# Altium PCB SuperClock_Core.PcbDoc
Units mil, origin at the board's own origin, x right, y up, seen from the top; angles counter-clockwise.
Board outline 3900.44 x 3899.85 mil, 4 copper layers (Top Layer, VCC2, GND3, Bottom Layer), stack 23.756 mil thick; 85 components, 58 nets, 327 pads, 63 vias.
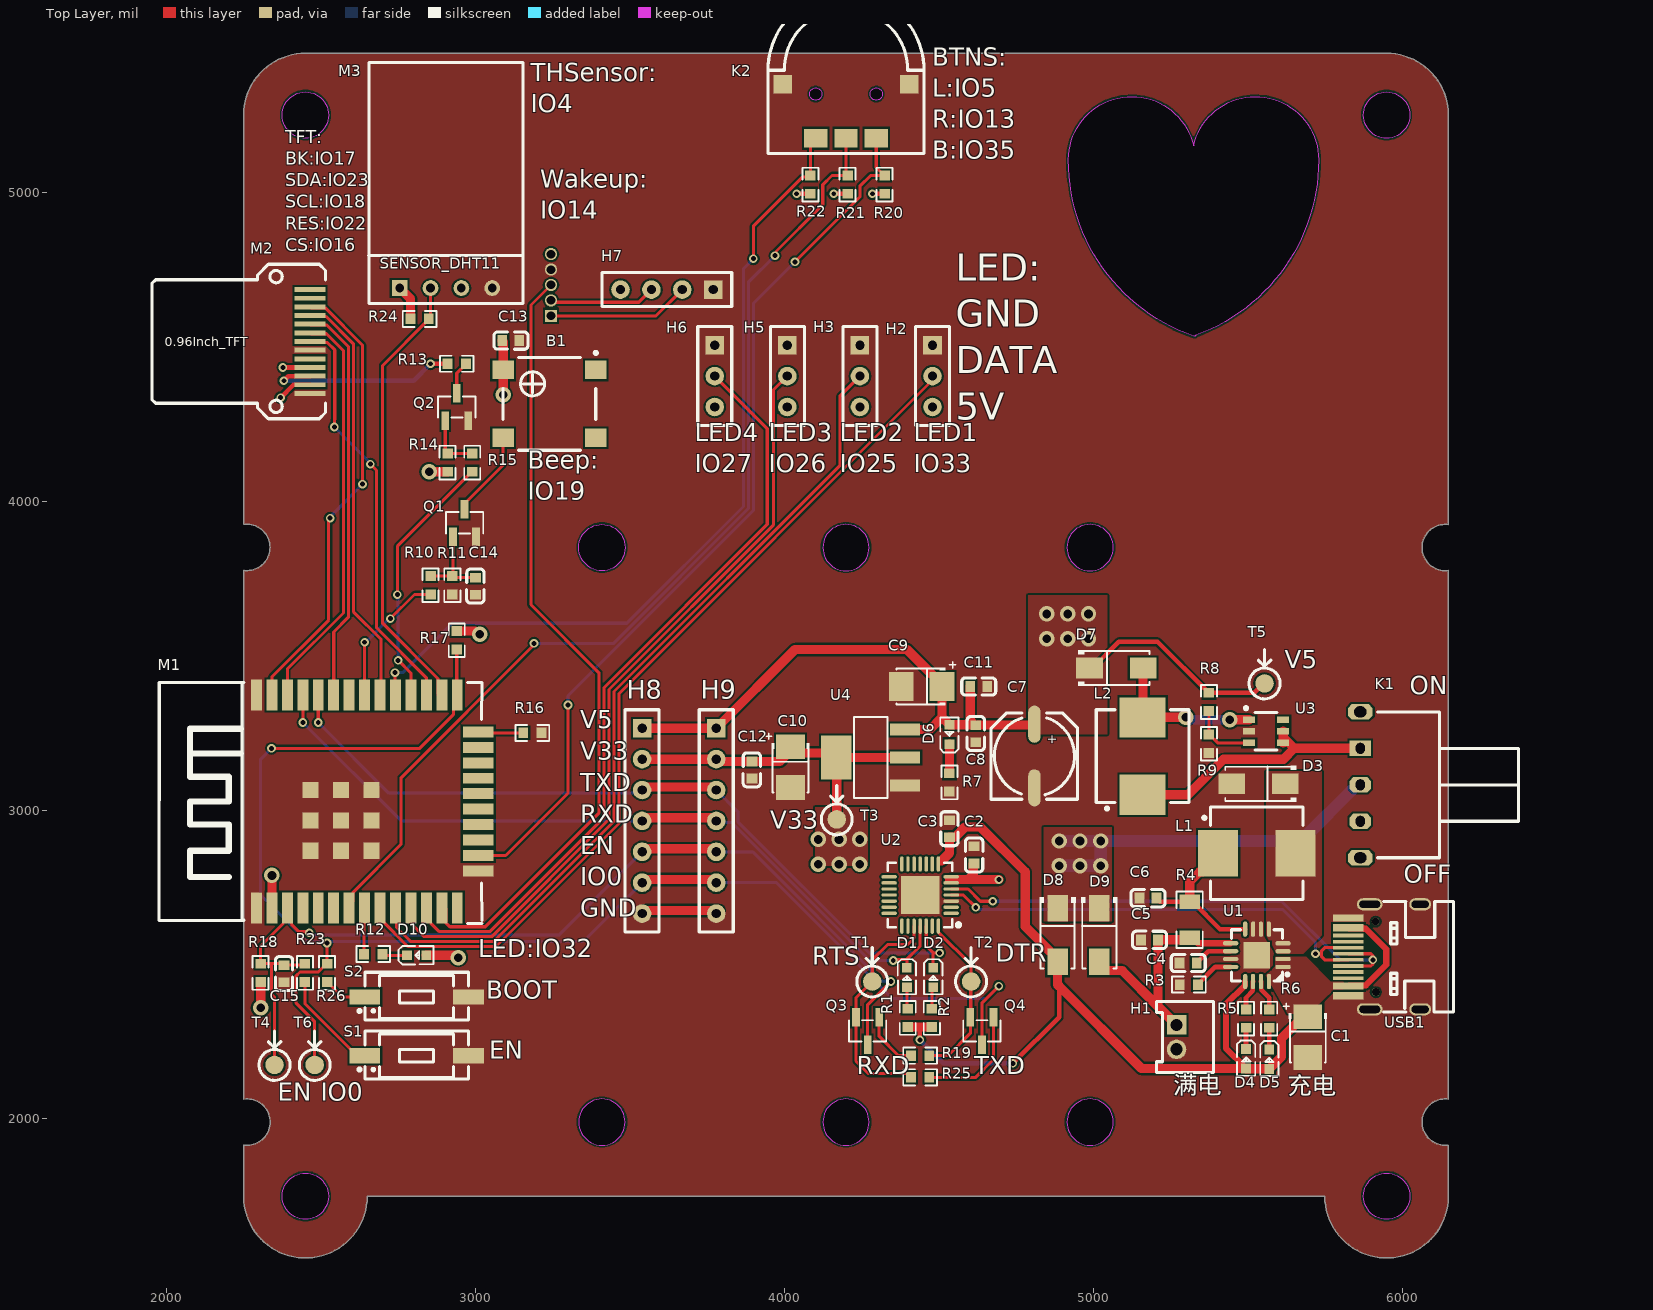
[diagram p0: Top Layer view]
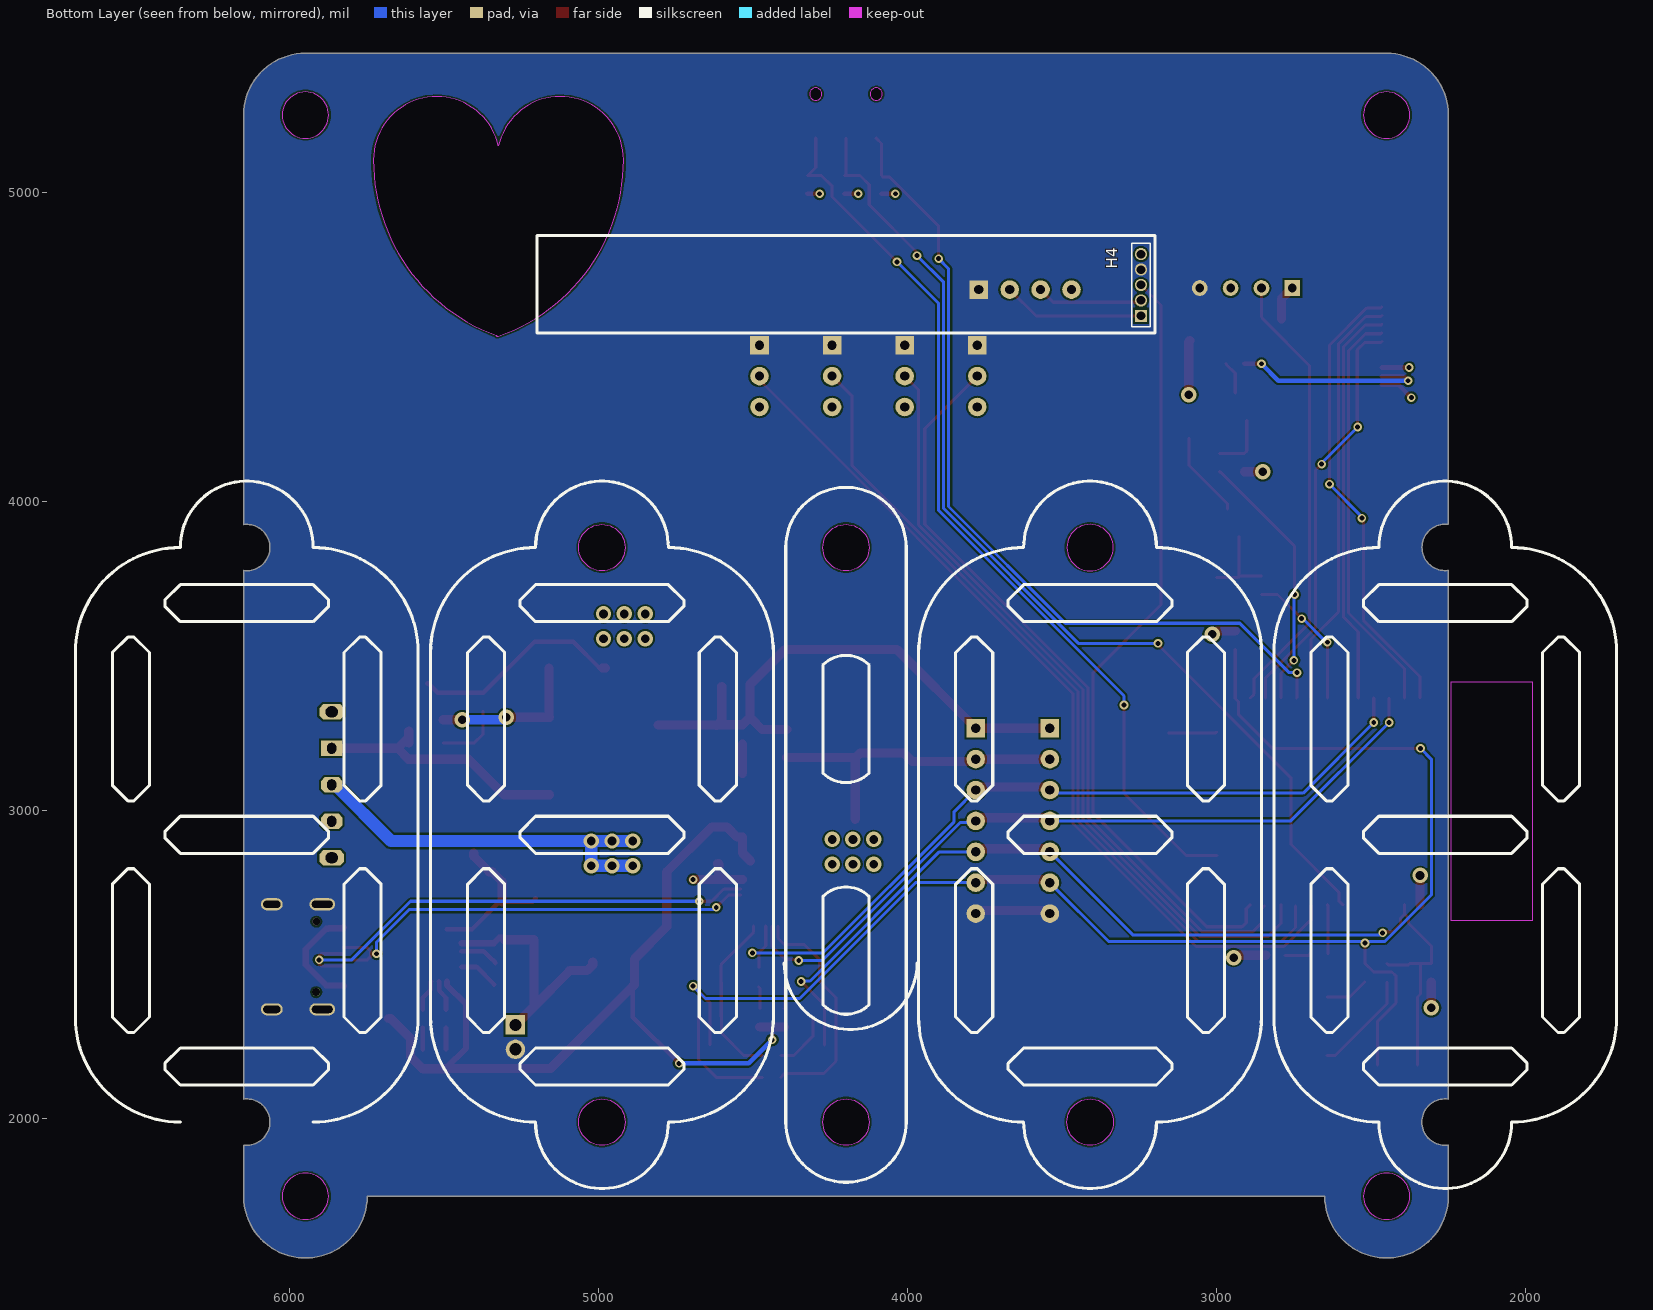
[diagram p1: Bottom Layer view, seen from below]
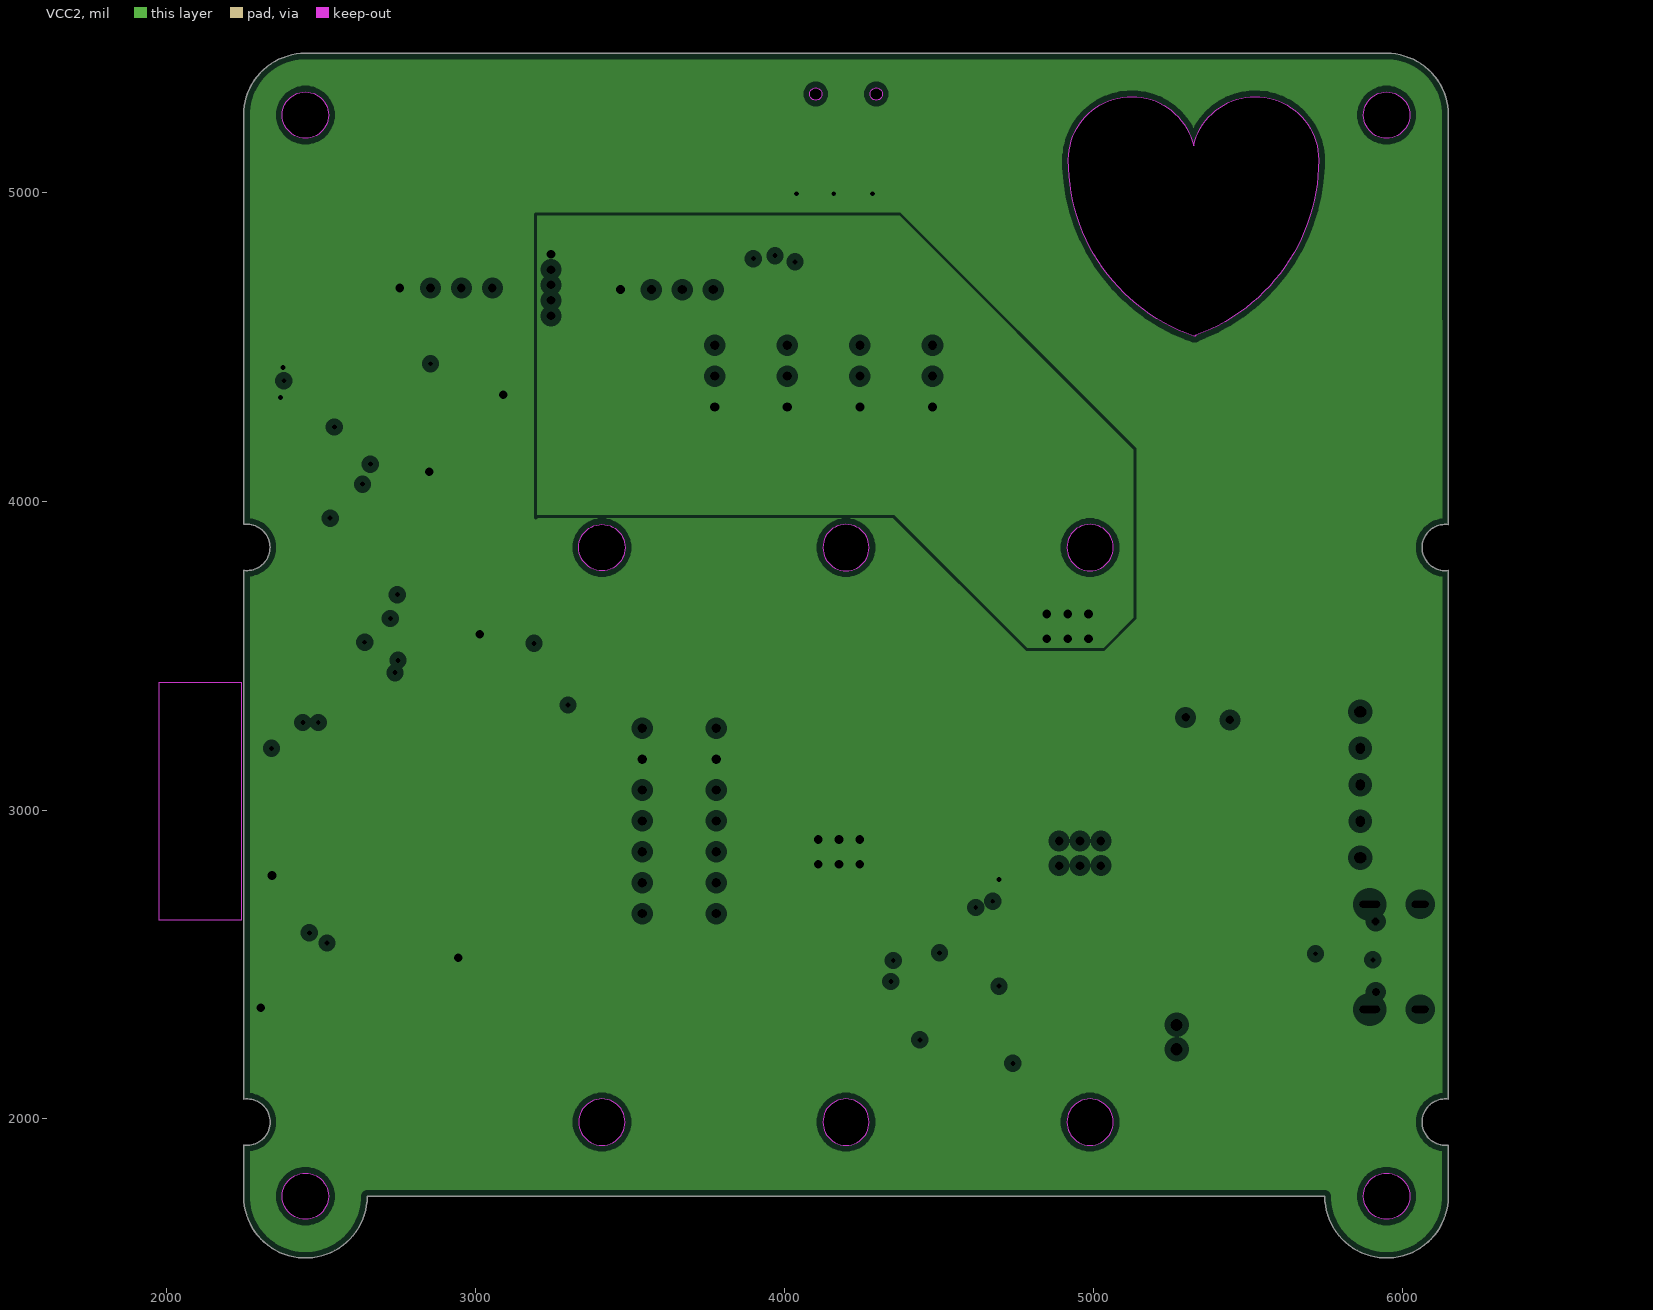
[diagram p2: VCC2, clearances drawn from the general rule]
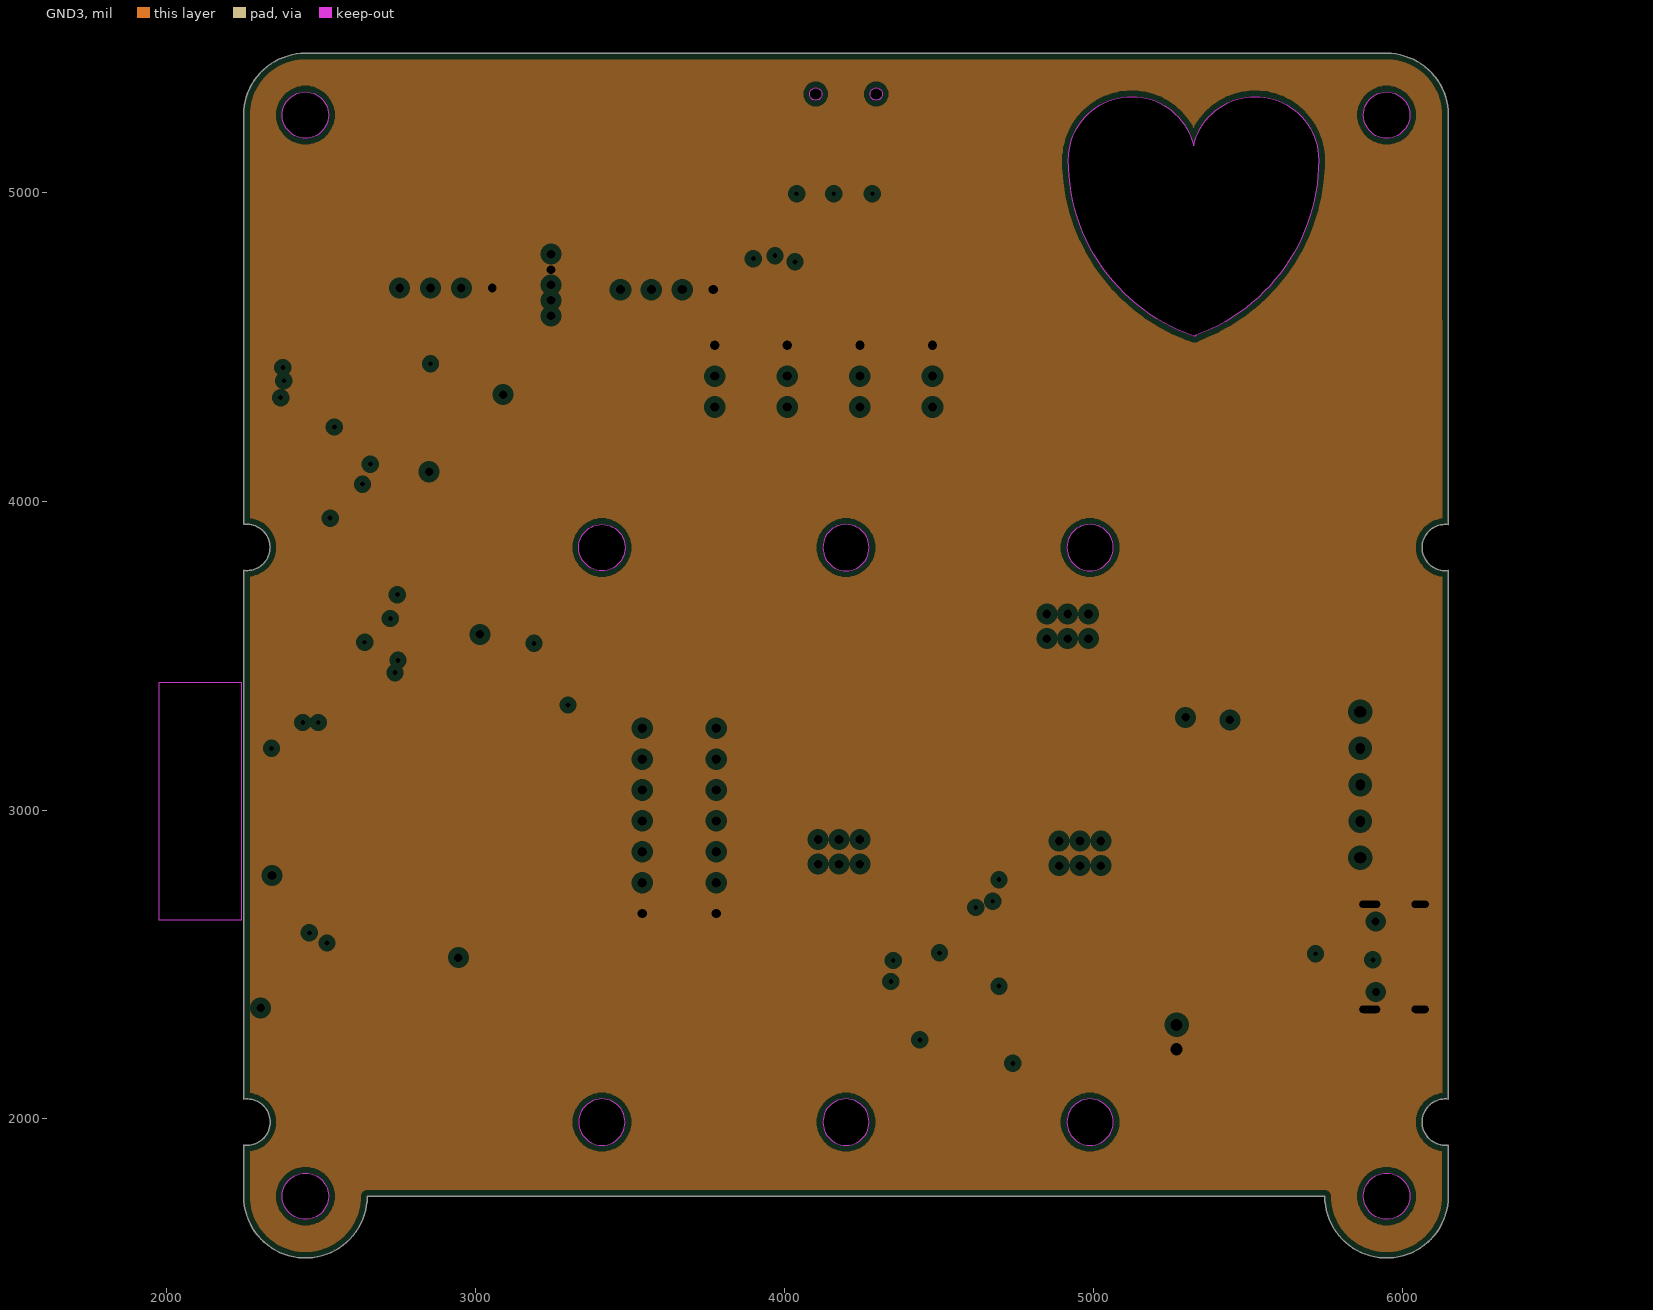
[diagram p3: GND3, clearances drawn from the general rule]
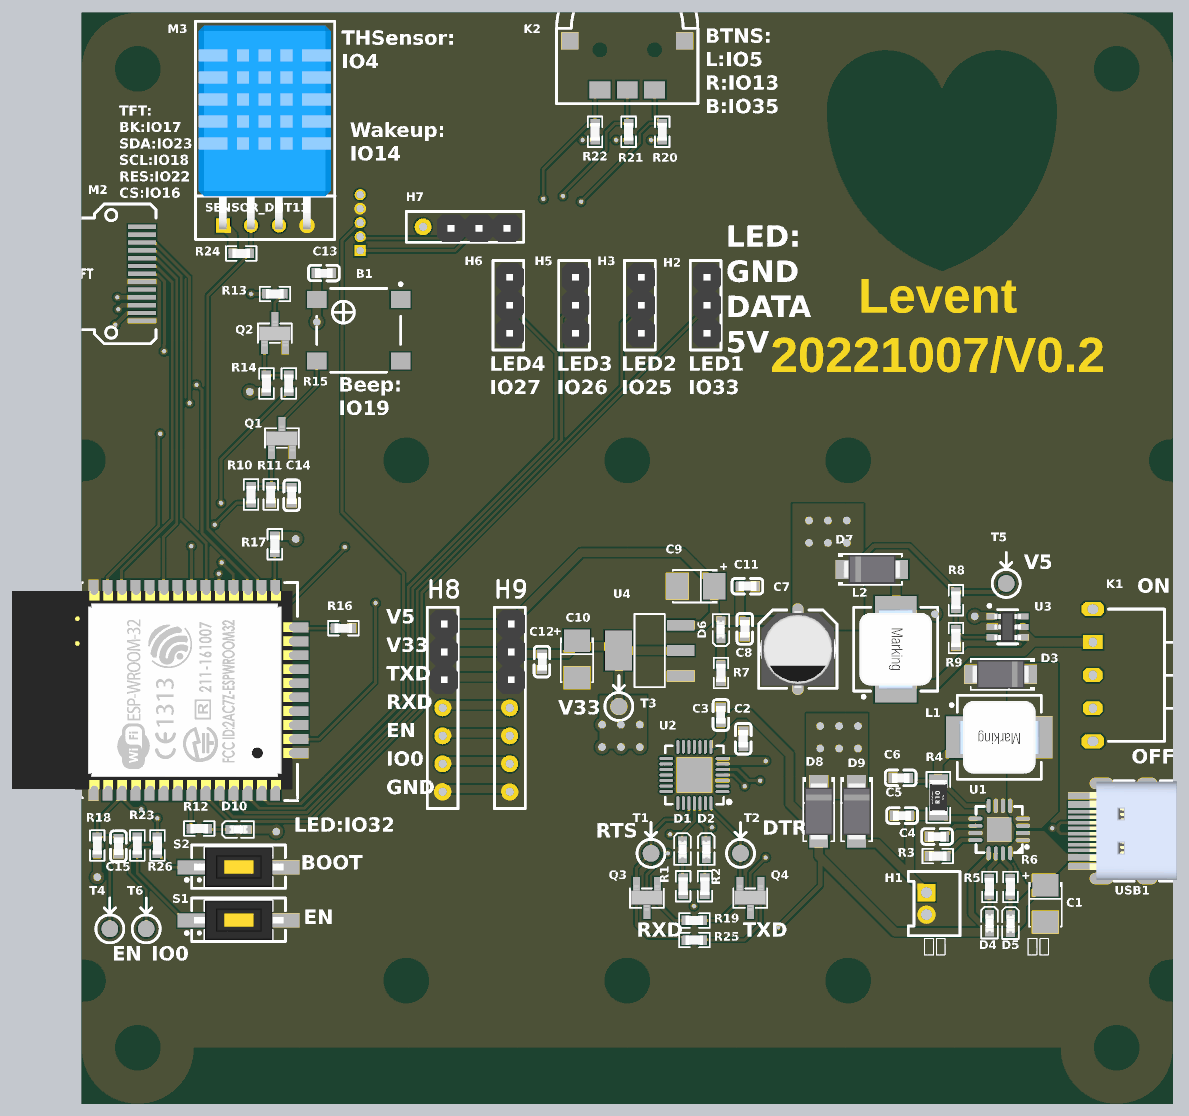
[diagram p4: 3D render of the assembled board from above, using the file's embedded part models]

## Layer stack, top to bottom
Top Solder: solder mask 0.4, Solder Resist, Dk 3.5
Top Layer: signal copper 1.4
Dielectric 2: prepreg 2.8, PP-006, Dk 4.1
VCC2: plane copper 1.378, net V33
Dielectric 1: dielectric 12.6, FR-4, Dk 4.8
GND3: plane copper 1.378, net GND
Dielectric 3: prepreg 2.8, PP-006, Dk 4.1
Bottom Layer: signal copper 1.4
Bottom Solder: solder mask 0.4, Solder Resist, Dk 3.5

## Board outline
2250,1750 2250,1914.22 2250.44,1915.73 ccw(c2260.88,1990) 2250.44,2064.27 2250.44,3775.73 2250,3776.17 ccw(c2260.44,3850.44) 2250,3924.71 2250,5250 cw(c2450,5250) 2450,5450 5950,5450 cw(c5950,5250) 6150,5250 6150,3924.71 6150.44,3924.27 ccw(c6140,3850) 6150.44,3775.73 6150.44,2064.27 ccw(c6140,1990) 6150.44,1915.73 6150,1914.22 6150,1750 cw(c5950,1750) 5750,1750 2650,1750 cw(c2450,1750)
cut-out: 5950,1675 cw(c5950,1750) 5875,1750 cw(c5950,1750) 5950,1825 cw(c5950,1750) 6025,1750 cw(c5950,1750)
cut-out: 2450,1675 cw(c2450,1750) 2375,1750 cw(c2450,1750) 2450,1825 cw(c2450,1750) 2525,1750 cw(c2450,1750)
cut-out: 5950,5175 cw(c5950,5250) 5875,5250 cw(c5950,5250) 5950,5325 cw(c5950,5250) 6025,5250 cw(c5950,5250)
cut-out: 2450,5175 cw(c2450,5250) 2375,5250 cw(c2450,5250) 2450,5325 cw(c2450,5250) 2525,5250 cw(c2450,5250)
cut-out: 5325.85,4533.61 cw(c5525,5105) 4919.9,5105 cw(c4924.92,5105) 4919.99,5105.92 cw(c5125,5105) 5325,5150.07 cw(c5525,5105) 5730.02,5105 cw(c5125,5105) 5332.19,4536.57 cw(c5327.5,4538.35)
cut-out: 4125,1990 ccw(c4200,1990) 4200,1915 ccw(c4200,1990) 4275,1990 ccw(c4200,1990) 4200,2065 ccw(c4200,1990)
cut-out: 4125,3850 ccw(c4200,3850) 4200,3775 ccw(c4200,3850) 4275,3850 ccw(c4200,3850) 4200,3925 ccw(c4200,3850)
cut-out: 4915,1990 ccw(c4990,1990) 4990,1915 ccw(c4990,1990) 5065,1990 ccw(c4990,1990) 4990,2065 ccw(c4990,1990)
cut-out: 4915,3850 ccw(c4990,3850) 4990,3775 ccw(c4990,3850) 5065,3850 ccw(c4990,3850) 4990,3925 ccw(c4990,3850)
cut-out: 3335,1990 ccw(c3410,1990) 3410,1915 ccw(c3410,1990) 3485,1990 ccw(c3410,1990) 3410,2065 ccw(c3410,1990)
cut-out: 3410,3775 cw(c3410,3850) 3335,3850 cw(c3410,3850) 3410,3925 cw(c3410,3850) 3485,3850 cw(c3410,3850)

## Design rules (kind name [scope] priority, off if disabled: settings)
Clearance [All] p1: gap=6 ignorepadtopadclearanceinfootprint=FALSE
MinimumSolderMaskSliver [All] p1: minsoldermaskwidth=1
PlaneClearance [All] p1: clearance=20
PlaneConnect [All] p1: planeconnectstyle=Direct reliefexpansion=20 reliefentries=4 reliefconductorwidth=10 reliefairgap=10
PolygonConnect [All] p1: connectstyle=Direct reliefconductorwidth=10 reliefentries=4 polygonreliefangle="90 Angle" airgapwidth=10
RoutingVias [All] p1: holewidth=16 width=28 viastyle="Through Hole" minholewidth=16 minwidth=28 maxholewidth=50 maxwidth=100
SilkToSilkClearance [All] p1: silktosilkclearance=4
SilkToSolderMaskClearance [IsPad] p1: minsilkscreentomaskgap=2 clearancetoexposedcopper=TRUE
SolderMaskExpansion [All] p1: expansion=1 istentingtop=FALSE
Width PWR [InNetClass('PWR')] p1: maxlimit=50 minlimit=10 preferedwidth=15
Width [All] p2: maxlimit=50 minlimit=10 preferedwidth=10
25 further rules are at their usual default settings.

## Classes and differential pairs
net class PWR: GND V33 VBAT VBUS VCC5 VSYS

## Components (designator, comment, footprint, x,y, rotation, side; value= is the part's Value field where it differs from the comment)
B1 "Beep_4Pin" Beep_4Pin_7525 3240,4315 r0 top
C1 "CAP_POL" CP1210 5695,2255 r90 top value=10uF
C2 "CAP" C0603 4615,2855 r90 top value=100nF
C3 "CAP" C0603 4535,2940 r90 top value=100nF
C4 "CAP" C0603 5307.56,2505 r180 top value=100nF
C5 "CAP" C0603 5182.56,2580 r180 top value=10uF
C6 "CAP" C0603 5177.56,2715 r180 top value=10uF
C7 "CAP_POL" CAP_SMD_6.3mm 4810,3175 r270 top value=220uF
C8 "CAP" C0603 4620,3247.45 r270 top value=10uF
C9 "CAP_POL" CP1210 4435,3400 r0 top value=10uF
C10 "CAP_POL" CP1210 4020,3129 r90 top value=10uF
C11 "CAP" C0603 4630,3400 r0 top value=100nF
C12 "CAP" C0603 3895,3130 r270 top value=100nF
C13 "CAP" C0603 3115,4520 r180 top value=100nF
C14 "CAP" C0603 3000,3725 r270 top value=100nF
C15 "Cap" C0603 2380.61,2470.34 r270 top value=1nF
D1 "LED" LED0603 4397.15,2458.4 r270 top
D2 "LED" LED0603 4482.2,2458.4 r270 top
D3 "Diode SBD" SMA_L4.3 5535,3085 r180 top
D4 "LED" LED0603 5495,2195 r270 top
D5 "LED" LED0603 5570.14,2193.53 r270 top
D6 "LED" LED0603 4535,3245 r90 top
D7 "Diode SBD" SMA_L4.3 5075,3460 r0 top
D8 "Diode SBD" SMA_L4.3 4885,2595 r270 top
D9 "Diode SBD" SMA_L4.3 5020,2595 r270 top
D10 "LED" LED0603 2810,2530 r0 top
H1 "Header_P2" PH_2Pin 5270,2265 r90 top
H2 "Header" H_2.54_P3 4480,4405 r270 top
H3 "Header" H_2.54_P3 4245,4405 r270 top
H4 "Header_P5" H_1.27_P5 3245,4700 r90 bottom
H5 "Header" H_2.54_P3 4010,4405 r270 top
H6 "Header" H_2.54_P3 3775,4405 r270 top
H7 "Header_P4" H_2.54_P4 3620,4685 r180 top
H8 "Header_P7" H_2.54_P7 3540,2965 r270 top
H9 "Header_P7" H_2.54_P7 3780,2965 r270 top
K1 "KEY_3P" SWITCH_3P_2 5875,3055 r270 top
K2 "KEY_DIAL_3" KEY_DIAL_3 4200,5175 r0 top
L1 "INDU" SMD_L7.1 5530,2860 r0 top
L2 "INDU" SMD_L7.1 5160,3175 r90 top
M1 "ESP32-WROOM-32D(U)" ESP32-WROOM-32D 2616.57,3028.15 r90 top
M2 "TFT_0.96_13Pin" TFT_0.96_13Pin 2465,4517 r0 top
M3 "DHT11" SENSOR-TH_DHT11-HOR 2905,4690 r0 top
Q1 "SS8050" SOT-23-3 2965,3930 r270 top
Q2 "SS8050" SOT-23-3 2940,4305 r270 top
Q3 "SS8050" SOT-23-3 4270,2285 r90 top
Q4 "SS8050" SOT-23-3 4640,2285 r90 top
R1 "Reg" R0603 4399.85,2327.47 r270 top value=10K
R2 "Reg" R0603 4477.86,2327.47 r270 top value=10K
R3 "Reg" R0603 5310,2435 r180 top value=320K
R4 "Reg" R1206 5312.56,2645 r90 top value=0.05R
R5 "Reg" R0603 5495,2325 r270 top value=10K
R6 "Reg" R0603 5570,2325 r270 top value=10K
R7 "Reg" R0603 4535,3089.66 r90 top value=10K
R8 "Reg" R0603 5375,3350 r90 top value=2.2K
R9 "Reg" R0603 5375,3215 r270 top value=300R
R10 "Reg" R0603 2855,3727.8 r270 top value=1K
R11 "Reg" R0603 2925.53,3727.8 r270 top value=10K
R12 "Reg" R0603 2669.66,2533.73 r0 top value=10K
R13 "Reg" R0603 2940,4445 r180 top value=10R
R14 "Reg" R0603 2910,4125 r270 top value=10K
R15 "Reg" R0603 2990,4125 r270 top value=1K
R16 "Reg" R0603 3185,3250 r0 top value=5K
R17 "Reg" R0603 2940,3550 r90 top value=5K
R18 "Reg" R0603 2305,2473.15 r270 top value=12K
R19 "Reg" R0603 4440,2205 r0 top value=12K
R20 "Reg" R0603 4325,5025 r90 top value=10K
R21 "Reg" R0603 4205,5025 r90 top value=10K
R22 "Reg" R0603 4085,5025 r90 top value=10K
R23 "Reg" R0603 2448.33,2473.15 r90 top value=470R
R24 "Reg" R0603 2819.66,4590 r0 top value=10K
R25 "Reg" R0603 4440,2135 r180 top value=12K
R26 "Reg" R0603 2520,2473.15 r90 top value=470R